# KiCad board 192_key.kicad_pcb
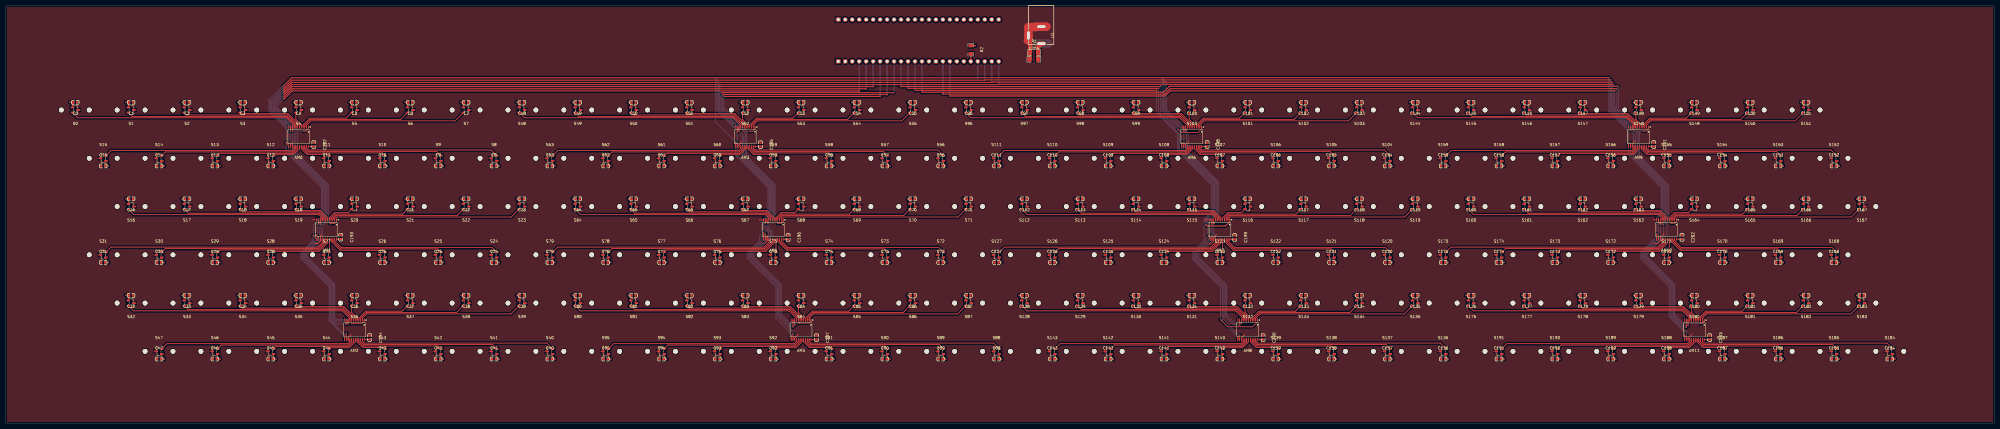
[diagram p0: board, top side]
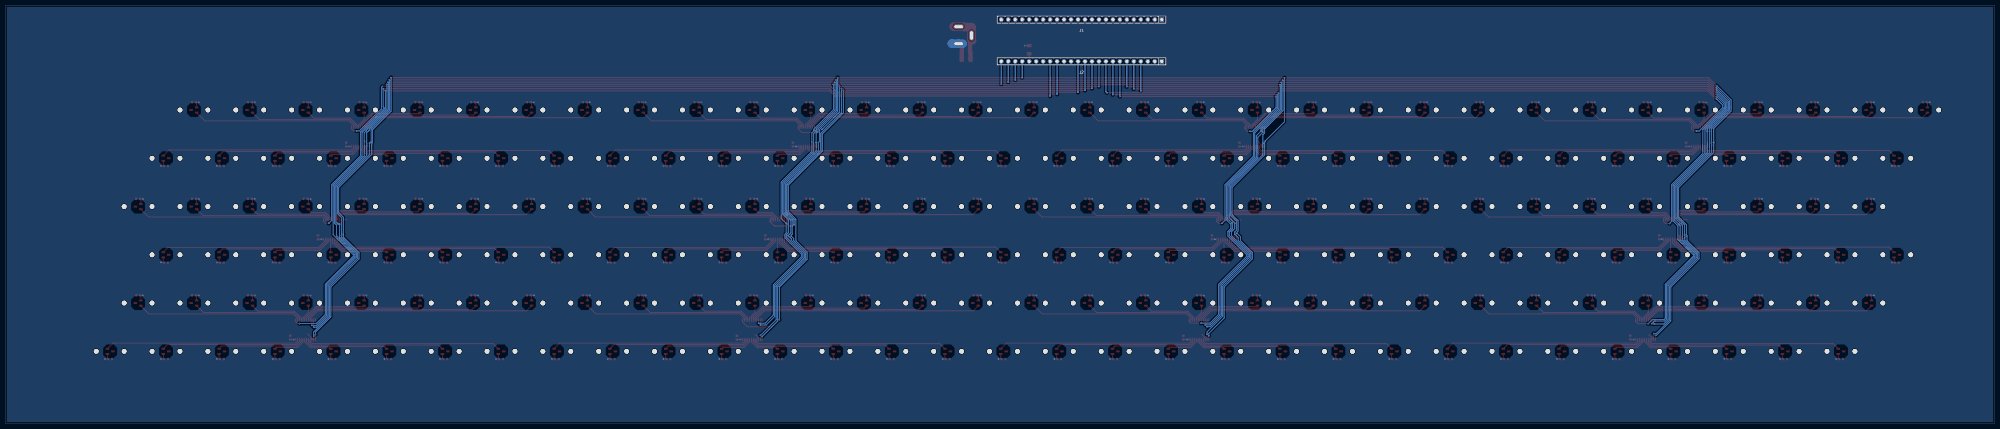
[diagram p1: board, bottom side, seen from below]

Outline 723.9 x 152.4 mm; copper layers: Top, Bottom. Coordinates in mm from the lower left corner of the outline.
Outline path: 0,152.4 723.9,152.4 723.9,0 0,0 closed

## Placement (name value [footprint] x y rotation side)
AM0  CD74HC4067SM96  [SSOP-24_L8.1-W5.3-P0.65-LS7.8-BL]  106.66 104.54 180 top
AM1  CD74HC4067SM96  [SSOP-24_L8.1-W5.3-P0.65-LS7.8-BL]  116.88 70.71 180 top
AM2  CD74HC4067SM96  [SSOP-24_L8.1-W5.3-P0.65-LS7.8-BL]  126.98 34.15 180 top
AM3  CD74HC4067SM96  [SSOP-24_L8.1-W5.3-P0.65-LS7.8-BL]  269.22 104.54 180 top
AM4  CD74HC4067SM96  [SSOP-24_L8.1-W5.3-P0.65-LS7.8-BL]  279.44 70.71 180 top
AM5  CD74HC4067SM96  [SSOP-24_L8.1-W5.3-P0.65-LS7.8-BL]  289.54 34.15 180 top
AM6  CD74HC4067SM96  [SSOP-24_L8.1-W5.3-P0.65-LS7.8-BL]  431.78 104.54 180 top
AM7  CD74HC4067SM96  [SSOP-24_L8.1-W5.3-P0.65-LS7.8-BL]  442 70.71 180 top
AM8  CD74HC4067SM96  [SSOP-24_L8.1-W5.3-P0.65-LS7.8-BL]  452.1 34.15 180 top
AM9  CD74HC4067SM96  [SSOP-24_L8.1-W5.3-P0.65-LS7.8-BL]  594.34 104.54 180 top
AM10  CD74HC4067SM96  [SSOP-24_L8.1-W5.3-P0.65-LS7.8-BL]  604.56 70.71 180 top
AM11  CD74HC4067SM96  [SSOP-24_L8.1-W5.3-P0.65-LS7.8-BL]  614.66 34.15 180 top
C0  100 nF  [C0603]  25.4 117.09 180 top
C1  100 nF  [C0603]  45.72 117.09 180 top
C2  100 nF  [C0603]  66.04 117.09 180 top
C3  100 nF  [C0603]  86.36 117.09 180 top
C4  100 nF  [C0603]  106.68 117.09 180 top
C5  100 nF  [C0603]  127 117.09 180 top
C6  100 nF  [C0603]  147.32 117.09 180 top
C7  100 nF  [C0603]  167.64 117.09 180 top
C8  100 nF  [C0603]  177.8 93.91 0 top
C9  100 nF  [C0603]  157.48 93.91 0 top
C10  100 nF  [C0603]  137.16 93.91 0 top
C11  100 nF  [C0603]  116.84 93.91 0 top
C12  100 nF  [C0603]  96.52 93.91 0 top
C13  100 nF  [C0603]  76.2 93.91 0 top
C14  100 nF  [C0603]  55.88 93.91 0 top
C15  100 nF  [C0603]  35.56 93.91 0 top
C16  100 nF  [C0603]  45.72 81.9 180 top
C17  100 nF  [C0603]  66.04 81.9 180 top
C18  100 nF  [C0603]  86.36 81.9 180 top
C19  100 nF  [C0603]  106.68 81.9 180 top
C20  100 nF  [C0603]  127 81.9 180 top
C21  100 nF  [C0603]  147.32 81.9 180 top
C22  100 nF  [C0603]  167.64 81.9 180 top
C23  100 nF  [C0603]  187.96 81.9 180 top
C24  100 nF  [C0603]  177.8 58.71 0 top
C25  100 nF  [C0603]  157.48 58.71 0 top
C26  100 nF  [C0603]  137.16 58.71 0 top
C27  100 nF  [C0603]  116.84 58.71 0 top
C28  100 nF  [C0603]  96.52 58.71 0 top
C29  100 nF  [C0603]  76.2 58.71 0 top
C30  100 nF  [C0603]  55.88 58.71 0 top
C31  100 nF  [C0603]  35.56 58.71 0 top
C32  100 nF  [C0603]  45.72 46.7 180 top
C33  100 nF  [C0603]  66.04 46.7 180 top
C34  100 nF  [C0603]  86.36 46.7 180 top
C35  100 nF  [C0603]  106.68 46.7 180 top
C36  100 nF  [C0603]  127 46.7 180 top
C37  100 nF  [C0603]  147.32 46.7 180 top
C38  100 nF  [C0603]  167.64 46.7 180 top
C39  100 nF  [C0603]  187.96 46.7 180 top
C40  100 nF  [C0603]  198.12 23.52 0 top
C41  100 nF  [C0603]  177.8 23.52 0 top
C42  100 nF  [C0603]  157.48 23.52 0 top
C43  100 nF  [C0603]  137.16 23.52 0 top
C44  100 nF  [C0603]  116.84 23.52 0 top
C45  100 nF  [C0603]  96.52 23.52 0 top
C46  100 nF  [C0603]  76.2 23.52 0 top
C47  100 nF  [C0603]  55.88 23.52 0 top
C48  100 nF  [C0603]  187.96 117.09 180 top
C49  100 nF  [C0603]  208.28 117.09 180 top
C50  100 nF  [C0603]  228.6 117.09 180 top
C51  100 nF  [C0603]  248.92 117.09 180 top
C52  100 nF  [C0603]  269.24 117.09 180 top
C53  100 nF  [C0603]  289.56 117.09 180 top
C54  100 nF  [C0603]  309.88 117.09 180 top
C55  100 nF  [C0603]  330.2 117.09 180 top
C56  100 nF  [C0603]  340.36 93.91 0 top
C57  100 nF  [C0603]  320.04 93.91 0 top
C58  100 nF  [C0603]  299.72 93.91 0 top
C59  100 nF  [C0603]  279.4 93.91 0 top
C60  100 nF  [C0603]  259.08 93.91 0 top
C61  100 nF  [C0603]  238.76 93.91 0 top
C62  100 nF  [C0603]  218.44 93.91 0 top
C63  100 nF  [C0603]  198.12 93.91 0 top
C64  100 nF  [C0603]  208.28 81.9 180 top
C65  100 nF  [C0603]  228.6 81.9 180 top
C66  100 nF  [C0603]  248.92 81.9 180 top
C67  100 nF  [C0603]  269.24 81.9 180 top
C68  100 nF  [C0603]  289.56 81.9 180 top
C69  100 nF  [C0603]  309.88 81.9 180 top
C70  100 nF  [C0603]  330.2 81.9 180 top
C71  100 nF  [C0603]  350.52 81.9 180 top
C72  100 nF  [C0603]  340.36 58.71 0 top
C73  100 nF  [C0603]  320.04 58.71 0 top
C74  100 nF  [C0603]  299.72 58.71 0 top
C75  100 nF  [C0603]  279.4 58.71 0 top
C76  100 nF  [C0603]  259.08 58.71 0 top
C77  100 nF  [C0603]  238.76 58.71 0 top
C78  100 nF  [C0603]  218.44 58.71 0 top
C79  100 nF  [C0603]  198.12 58.71 0 top
C80  100 nF  [C0603]  208.28 46.7 180 top
C81  100 nF  [C0603]  228.6 46.7 180 top
C82  100 nF  [C0603]  248.92 46.7 180 top
C83  100 nF  [C0603]  269.24 46.7 180 top
C84  100 nF  [C0603]  289.56 46.7 180 top
C85  100 nF  [C0603]  309.88 46.7 180 top
C86  100 nF  [C0603]  330.2 46.7 180 top
C87  100 nF  [C0603]  350.52 46.7 180 top
C88  100 nF  [C0603]  360.68 23.52 0 top
C89  100 nF  [C0603]  340.36 23.52 0 top
C90  100 nF  [C0603]  320.04 23.52 0 top
C91  100 nF  [C0603]  299.72 23.52 0 top
C92  100 nF  [C0603]  279.4 23.52 0 top
C93  100 nF  [C0603]  259.08 23.52 0 top
C94  100 nF  [C0603]  238.76 23.52 0 top
C95  100 nF  [C0603]  218.44 23.52 0 top
C96  100 nF  [C0603]  350.52 117.09 180 top
C97  100 nF  [C0603]  370.84 117.09 180 top
C98  100 nF  [C0603]  391.16 117.09 180 top
C99  100 nF  [C0603]  411.48 117.09 180 top
C100  100 nF  [C0603]  431.8 117.09 180 top
C101  100 nF  [C0603]  452.12 117.09 180 top
C102  100 nF  [C0603]  472.44 117.09 180 top
C103  100 nF  [C0603]  492.76 117.09 180 top
C104  100 nF  [C0603]  502.92 93.91 0 top
C105  100 nF  [C0603]  482.6 93.91 0 top
C106  100 nF  [C0603]  462.28 93.91 0 top
C107  100 nF  [C0603]  441.96 93.91 0 top
C108  100 nF  [C0603]  421.64 93.91 0 top
C109  100 nF  [C0603]  401.32 93.91 0 top
C110  100 nF  [C0603]  381 93.91 0 top
C111  100 nF  [C0603]  360.68 93.91 0 top
C112  100 nF  [C0603]  370.84 81.9 180 top
C113  100 nF  [C0603]  391.16 81.9 180 top
C114  100 nF  [C0603]  411.48 81.9 180 top
C115  100 nF  [C0603]  431.8 81.9 180 top
C116  100 nF  [C0603]  452.12 81.9 180 top
C117  100 nF  [C0603]  472.44 81.9 180 top
C118  100 nF  [C0603]  492.76 81.9 180 top
C119  100 nF  [C0603]  513.08 81.9 180 top
C120  100 nF  [C0603]  502.92 58.71 0 top
C121  100 nF  [C0603]  482.6 58.71 0 top
C122  100 nF  [C0603]  462.28 58.71 0 top
C123  100 nF  [C0603]  441.96 58.71 0 top
C124  100 nF  [C0603]  421.64 58.71 0 top
C125  100 nF  [C0603]  401.32 58.71 0 top
C126  100 nF  [C0603]  381 58.71 0 top
C127  100 nF  [C0603]  360.68 58.71 0 top
C128  100 nF  [C0603]  370.84 46.7 180 top
C129  100 nF  [C0603]  391.16 46.7 180 top
C130  100 nF  [C0603]  411.48 46.7 180 top
C131  100 nF  [C0603]  431.8 46.7 180 top
C132  100 nF  [C0603]  452.12 46.7 180 top
C133  100 nF  [C0603]  472.44 46.7 180 top
C134  100 nF  [C0603]  492.76 46.7 180 top
C135  100 nF  [C0603]  513.08 46.7 180 top
C136  100 nF  [C0603]  523.24 23.52 0 top
C137  100 nF  [C0603]  502.92 23.52 0 top
C138  100 nF  [C0603]  482.6 23.52 0 top
C139  100 nF  [C0603]  462.28 23.52 0 top
C140  100 nF  [C0603]  441.96 23.52 0 top
C141  100 nF  [C0603]  421.64 23.52 0 top
C142  100 nF  [C0603]  401.32 23.52 0 top
C143  100 nF  [C0603]  381 23.52 0 top
C144  100 nF  [C0603]  513.08 117.09 180 top
C145  100 nF  [C0603]  533.4 117.09 180 top
C146  100 nF  [C0603]  553.72 117.09 180 top
C147  100 nF  [C0603]  574.04 117.09 180 top
C148  100 nF  [C0603]  594.36 117.09 180 top
C149  100 nF  [C0603]  614.68 117.09 180 top
C150  100 nF  [C0603]  635 117.09 180 top
C151  100 nF  [C0603]  655.32 117.09 180 top
C152  100 nF  [C0603]  665.48 93.91 0 top
C153  100 nF  [C0603]  645.16 93.91 0 top
C154  100 nF  [C0603]  624.84 93.91 0 top
C155  100 nF  [C0603]  604.52 93.91 0 top
C156  100 nF  [C0603]  584.2 93.91 0 top
C157  100 nF  [C0603]  563.88 93.91 0 top
C158  100 nF  [C0603]  543.56 93.91 0 top
C159  100 nF  [C0603]  523.24 93.91 0 top
C160  100 nF  [C0603]  533.4 81.9 180 top
C161  100 nF  [C0603]  553.72 81.9 180 top
C162  100 nF  [C0603]  574.04 81.9 180 top
C163  100 nF  [C0603]  594.36 81.9 180 top
C164  100 nF  [C0603]  614.68 81.9 180 top
C165  100 nF  [C0603]  635 81.9 180 top
C166  100 nF  [C0603]  655.32 81.9 180 top
C167  100 nF  [C0603]  675.64 81.9 180 top
C168  100 nF  [C0603]  665.48 58.71 0 top
C169  100 nF  [C0603]  645.16 58.71 0 top
C170  100 nF  [C0603]  624.84 58.71 0 top
C171  100 nF  [C0603]  604.52 58.71 0 top
C172  100 nF  [C0603]  584.2 58.71 0 top
C173  100 nF  [C0603]  563.88 58.71 0 top
C174  100 nF  [C0603]  543.56 58.71 0 top
C175  100 nF  [C0603]  523.24 58.71 0 top
C176  100 nF  [C0603]  533.4 46.7 180 top
C177  100 nF  [C0603]  553.72 46.7 180 top
C178  100 nF  [C0603]  574.04 46.7 180 top
C179  100 nF  [C0603]  594.36 46.7 180 top
C180  100 nF  [C0603]  614.68 46.7 180 top
C181  100 nF  [C0603]  635 46.7 180 top
C182  100 nF  [C0603]  655.32 46.7 180 top
C183  100 nF  [C0603]  675.64 46.7 180 top
C184  100 nF  [C0603]  685.8 23.52 0 top
C185  100 nF  [C0603]  665.48 23.52 0 top
C186  100 nF  [C0603]  645.16 23.52 0 top
C187  100 nF  [C0603]  624.84 23.52 0 top
C188  100 nF  [C0603]  604.52 23.52 0 top
C189  100 nF  [C0603]  584.2 23.52 0 top
C190  100 nF  [C0603]  563.88 23.52 0 top
C191  100 nF  [C0603]  543.56 23.52 0 top
C192  100 nF  [C0603]  112.22 101.69 270 top
C193  100 nF  [C0603]  122.02 67.92 270 top
C194  100 nF  [C0603]  132.54 31.35 270 top
C195  100 nF  [C0603]  274.78 101.69 270 top
C196  100 nF  [C0603]  284.84 67.86 270 top
C197  100 nF  [C0603]  295.2 31.3 270 top
C198  100 nF  [C0603]  437.34 101.71 270 top
C199  100 nF  [C0603]  447.4 67.86 270 top
C200  100 nF  [C0603]  457.71 31.3 270 top
C201  100 nF  [C0603]  599.9 101.71 270 top
C202  100 nF  [C0603]  610.16 67.86 270 top
C203  100 nF  [C0603]  620.27 31.33 270 top
C204  22 uF  [C1206]  374.28 132.74 0 top
J1  X6511FV-24-C85D32  [HDR-TH_24P-P2.54-V-F]  332.28 147.27 0 bottom
J2  X6511FV-24-C85D32  [HDR-TH_24P-P2.54-V-F]  332.28 132.03 0 bottom
KEY0  -  [SW_MX_Lekker]  25.4 114.3 180 bottom
KEY1  -  [SW_MX_Lekker]  45.72 114.3 180 bottom
KEY2  -  [SW_MX_Lekker]  66.04 114.3 180 bottom
KEY3  -  [SW_MX_Lekker]  86.36 114.3 180 bottom
KEY4  -  [SW_MX_Lekker]  106.68 114.3 180 bottom
KEY5  -  [SW_MX_Lekker]  127 114.3 180 bottom
KEY6  -  [SW_MX_Lekker]  147.32 114.3 180 bottom
KEY7  -  [SW_MX_Lekker]  167.64 114.3 180 bottom
KEY8  -  [SW_MX_Lekker]  177.8 96.7 180 bottom
KEY9  -  [SW_MX_Lekker]  157.48 96.7 180 bottom
KEY10  -  [SW_MX_Lekker]  137.16 96.7 180 bottom
KEY11  -  [SW_MX_Lekker]  116.84 96.7 180 bottom
KEY12  -  [SW_MX_Lekker]  96.52 96.7 180 bottom
KEY13  -  [SW_MX_Lekker]  76.2 96.7 180 bottom
KEY14  -  [SW_MX_Lekker]  55.88 96.7 180 bottom
KEY15  -  [SW_MX_Lekker]  35.56 96.7 180 bottom
KEY16  -  [SW_MX_Lekker]  45.72 79.1 180 bottom
KEY17  -  [SW_MX_Lekker]  66.04 79.1 180 bottom
KEY18  -  [SW_MX_Lekker]  86.36 79.1 180 bottom
KEY19  -  [SW_MX_Lekker]  106.68 79.1 180 bottom
KEY20  -  [SW_MX_Lekker]  127 79.1 180 bottom
KEY21  -  [SW_MX_Lekker]  147.32 79.1 180 bottom
KEY22  -  [SW_MX_Lekker]  167.64 79.1 180 bottom
KEY23  -  [SW_MX_Lekker]  187.96 79.1 180 bottom
KEY24  -  [SW_MX_Lekker]  177.8 61.51 180 bottom
KEY25  -  [SW_MX_Lekker]  157.48 61.51 180 bottom
KEY26  -  [SW_MX_Lekker]  137.16 61.51 180 bottom
KEY27  -  [SW_MX_Lekker]  116.84 61.51 180 bottom
KEY28  -  [SW_MX_Lekker]  96.52 61.51 180 bottom
KEY29  -  [SW_MX_Lekker]  76.2 61.51 180 bottom
KEY30  -  [SW_MX_Lekker]  55.88 61.51 180 bottom
KEY31  -  [SW_MX_Lekker]  35.56 61.51 180 bottom
KEY32  -  [SW_MX_Lekker]  45.72 43.91 180 bottom
KEY33  -  [SW_MX_Lekker]  66.04 43.91 180 bottom
KEY34  -  [SW_MX_Lekker]  86.36 43.91 180 bottom
KEY35  -  [SW_MX_Lekker]  106.68 43.91 180 bottom
KEY36  -  [SW_MX_Lekker]  127 43.91 180 bottom
KEY37  -  [SW_MX_Lekker]  147.32 43.91 180 bottom
KEY38  -  [SW_MX_Lekker]  167.64 43.91 180 bottom
KEY39  -  [SW_MX_Lekker]  187.96 43.91 180 bottom
KEY40  -  [SW_MX_Lekker]  198.12 26.31 180 bottom
KEY41  -  [SW_MX_Lekker]  177.8 26.31 180 bottom
KEY42  -  [SW_MX_Lekker]  157.48 26.31 180 bottom
KEY43  -  [SW_MX_Lekker]  137.16 26.31 180 bottom
KEY44  -  [SW_MX_Lekker]  116.84 26.31 180 bottom
KEY45  -  [SW_MX_Lekker]  96.52 26.31 180 bottom
KEY46  -  [SW_MX_Lekker]  76.2 26.31 180 bottom
KEY47  -  [SW_MX_Lekker]  55.88 26.31 180 bottom
KEY48  -  [SW_MX_Lekker]  187.96 114.3 180 bottom
KEY49  -  [SW_MX_Lekker]  208.28 114.3 180 bottom
KEY50  -  [SW_MX_Lekker]  228.6 114.3 180 bottom
KEY51  -  [SW_MX_Lekker]  248.92 114.3 180 bottom
KEY52  -  [SW_MX_Lekker]  269.24 114.3 180 bottom
KEY53  -  [SW_MX_Lekker]  289.56 114.3 180 bottom
KEY54  -  [SW_MX_Lekker]  309.88 114.3 180 bottom
KEY55  -  [SW_MX_Lekker]  330.2 114.3 180 bottom
KEY56  -  [SW_MX_Lekker]  340.36 96.7 180 bottom
KEY57  -  [SW_MX_Lekker]  320.04 96.7 180 bottom
KEY58  -  [SW_MX_Lekker]  299.72 96.7 180 bottom
KEY59  -  [SW_MX_Lekker]  279.4 96.7 180 bottom
KEY60  -  [SW_MX_Lekker]  259.08 96.7 180 bottom
KEY61  -  [SW_MX_Lekker]  238.76 96.7 180 bottom
KEY62  -  [SW_MX_Lekker]  218.44 96.7 180 bottom
KEY63  -  [SW_MX_Lekker]  198.12 96.7 180 bottom
KEY64  -  [SW_MX_Lekker]  208.28 79.1 180 bottom
KEY65  -  [SW_MX_Lekker]  228.6 79.1 180 bottom
KEY66  -  [SW_MX_Lekker]  248.92 79.1 180 bottom
KEY67  -  [SW_MX_Lekker]  269.24 79.1 180 bottom
KEY68  -  [SW_MX_Lekker]  289.56 79.1 180 bottom
KEY69  -  [SW_MX_Lekker]  309.88 79.1 180 bottom
KEY70  -  [SW_MX_Lekker]  330.2 79.1 180 bottom
KEY71  -  [SW_MX_Lekker]  350.52 79.1 180 bottom
KEY72  -  [SW_MX_Lekker]  340.36 61.51 180 bottom
KEY73  -  [SW_MX_Lekker]  320.04 61.51 180 bottom
KEY74  -  [SW_MX_Lekker]  299.72 61.51 180 bottom
KEY75  -  [SW_MX_Lekker]  279.4 61.51 180 bottom
KEY76  -  [SW_MX_Lekker]  259.08 61.51 180 bottom
KEY77  -  [SW_MX_Lekker]  238.76 61.51 180 bottom
KEY78  -  [SW_MX_Lekker]  218.44 61.51 180 bottom
KEY79  -  [SW_MX_Lekker]  198.12 61.51 180 bottom
KEY80  -  [SW_MX_Lekker]  208.28 43.91 180 bottom
KEY81  -  [SW_MX_Lekker]  228.6 43.91 180 bottom
KEY82  -  [SW_MX_Lekker]  248.92 43.91 180 bottom
KEY83  -  [SW_MX_Lekker]  269.24 43.91 180 bottom
KEY84  -  [SW_MX_Lekker]  289.56 43.91 180 bottom
KEY85  -  [SW_MX_Lekker]  309.88 43.91 180 bottom
KEY86  -  [SW_MX_Lekker]  330.2 43.91 180 bottom
KEY87  -  [SW_MX_Lekker]  350.52 43.91 180 bottom
KEY88  -  [SW_MX_Lekker]  360.68 26.31 180 bottom
KEY89  -  [SW_MX_Lekker]  340.36 26.31 180 bottom
KEY90  -  [SW_MX_Lekker]  320.04 26.31 180 bottom
KEY91  -  [SW_MX_Lekker]  299.72 26.31 180 bottom
KEY92  -  [SW_MX_Lekker]  279.4 26.31 180 bottom
KEY93  -  [SW_MX_Lekker]  259.08 26.31 180 bottom
KEY94  -  [SW_MX_Lekker]  238.76 26.31 180 bottom
KEY95  -  [SW_MX_Lekker]  218.44 26.31 180 bottom
KEY96  -  [SW_MX_Lekker]  350.52 114.3 180 bottom
KEY97  -  [SW_MX_Lekker]  370.84 114.3 180 bottom
KEY98  -  [SW_MX_Lekker]  391.16 114.3 180 bottom
KEY99  -  [SW_MX_Lekker]  411.48 114.3 180 bottom
KEY100  -  [SW_MX_Lekker]  431.8 114.3 180 bottom
KEY101  -  [SW_MX_Lekker]  452.12 114.3 180 bottom
KEY102  -  [SW_MX_Lekker]  472.44 114.3 180 bottom
KEY103  -  [SW_MX_Lekker]  492.76 114.3 180 bottom
KEY104  -  [SW_MX_Lekker]  502.92 96.7 180 bottom
KEY105  -  [SW_MX_Lekker]  482.6 96.7 180 bottom
KEY106  -  [SW_MX_Lekker]  462.28 96.7 180 bottom
KEY107  -  [SW_MX_Lekker]  441.96 96.7 180 bottom
KEY108  -  [SW_MX_Lekker]  421.64 96.7 180 bottom
KEY109  -  [SW_MX_Lekker]  401.32 96.7 180 bottom
KEY110  -  [SW_MX_Lekker]  381 96.7 180 bottom
KEY111  -  [SW_MX_Lekker]  360.68 96.7 180 bottom
KEY112  -  [SW_MX_Lekker]  370.84 79.1 180 bottom
KEY113  -  [SW_MX_Lekker]  391.16 79.1 180 bottom
KEY114  -  [SW_MX_Lekker]  411.48 79.1 180 bottom
KEY115  -  [SW_MX_Lekker]  431.8 79.1 180 bottom
KEY116  -  [SW_MX_Lekker]  452.12 79.1 180 bottom
KEY117  -  [SW_MX_Lekker]  472.44 79.1 180 bottom
KEY118  -  [SW_MX_Lekker]  492.76 79.1 180 bottom
KEY119  -  [SW_MX_Lekker]  513.08 79.1 180 bottom
KEY120  -  [SW_MX_Lekker]  502.92 61.51 180 bottom
KEY121  -  [SW_MX_Lekker]  482.6 61.51 180 bottom
KEY122  -  [SW_MX_Lekker]  462.28 61.51 180 bottom
KEY123  -  [SW_MX_Lekker]  441.96 61.51 180 bottom
KEY124  -  [SW_MX_Lekker]  421.64 61.51 180 bottom
KEY125  -  [SW_MX_Lekker]  401.32 61.51 180 bottom
KEY126  -  [SW_MX_Lekker]  381 61.51 180 bottom
KEY127  -  [SW_MX_Lekker]  360.68 61.51 180 bottom
KEY128  -  [SW_MX_Lekker]  370.84 43.91 180 bottom
KEY129  -  [SW_MX_Lekker]  391.16 43.91 180 bottom
KEY130  -  [SW_MX_Lekker]  411.48 43.91 180 bottom
KEY131  -  [SW_MX_Lekker]  431.8 43.91 180 bottom
KEY132  -  [SW_MX_Lekker]  452.12 43.91 180 bottom
KEY133  -  [SW_MX_Lekker]  472.44 43.91 180 bottom
KEY134  -  [SW_MX_Lekker]  492.76 43.91 180 bottom
KEY135  -  [SW_MX_Lekker]  513.08 43.91 180 bottom
KEY136  -  [SW_MX_Lekker]  523.24 26.31 180 bottom
KEY137  -  [SW_MX_Lekker]  502.92 26.31 180 bottom
KEY138  -  [SW_MX_Lekker]  482.6 26.31 180 bottom
KEY139  -  [SW_MX_Lekker]  462.28 26.31 180 bottom
KEY140  -  [SW_MX_Lekker]  441.96 26.31 180 bottom
KEY141  -  [SW_MX_Lekker]  421.64 26.31 180 bottom
KEY142  -  [SW_MX_Lekker]  401.32 26.31 180 bottom
KEY143  -  [SW_MX_Lekker]  381 26.31 180 bottom
KEY144  -  [SW_MX_Lekker]  513.08 114.3 180 bottom
KEY145  -  [SW_MX_Lekker]  533.4 114.3 180 bottom
KEY146  -  [SW_MX_Lekker]  553.72 114.3 180 bottom
KEY147  -  [SW_MX_Lekker]  574.04 114.3 180 bottom
KEY148  -  [SW_MX_Lekker]  594.36 114.3 180 bottom
KEY149  -  [SW_MX_Lekker]  614.68 114.3 180 bottom
KEY150  -  [SW_MX_Lekker]  635 114.3 180 bottom
KEY151  -  [SW_MX_Lekker]  655.32 114.3 180 bottom
KEY152  -  [SW_MX_Lekker]  665.48 96.7 180 bottom
KEY153  -  [SW_MX_Lekker]  645.16 96.7 180 bottom
KEY154  -  [SW_MX_Lekker]  624.84 96.7 180 bottom
KEY155  -  [SW_MX_Lekker]  604.52 96.7 180 bottom
KEY156  -  [SW_MX_Lekker]  584.2 96.7 180 bottom
KEY157  -  [SW_MX_Lekker]  563.88 96.7 180 bottom
KEY158  -  [SW_MX_Lekker]  543.56 96.7 180 bottom
KEY159  -  [SW_MX_Lekker]  523.24 96.7 180 bottom
KEY160  -  [SW_MX_Lekker]  533.4 79.1 180 bottom
KEY161  -  [SW_MX_Lekker]  553.72 79.1 180 bottom
KEY162  -  [SW_MX_Lekker]  574.04 79.1 180 bottom
KEY163  -  [SW_MX_Lekker]  594.36 79.1 180 bottom
KEY164  -  [SW_MX_Lekker]  614.68 79.1 180 bottom
KEY165  -  [SW_MX_Lekker]  635 79.1 180 bottom
KEY166  -  [SW_MX_Lekker]  655.32 79.1 180 bottom
KEY167  -  [SW_MX_Lekker]  675.64 79.1 180 bottom
KEY168  -  [SW_MX_Lekker]  665.48 61.51 180 bottom
KEY169  -  [SW_MX_Lekker]  645.16 61.51 180 bottom
KEY170  -  [SW_MX_Lekker]  624.84 61.51 180 bottom
KEY171  -  [SW_MX_Lekker]  604.52 61.51 180 bottom
KEY172  -  [SW_MX_Lekker]  584.2 61.51 180 bottom
KEY173  -  [SW_MX_Lekker]  563.88 61.51 180 bottom
KEY174  -  [SW_MX_Lekker]  543.56 61.51 180 bottom
KEY175  -  [SW_MX_Lekker]  523.24 61.51 180 bottom
KEY176  -  [SW_MX_Lekker]  533.4 43.91 180 bottom
KEY177  -  [SW_MX_Lekker]  553.72 43.91 180 bottom
KEY178  -  [SW_MX_Lekker]  574.04 43.91 180 bottom
KEY179  -  [SW_MX_Lekker]  594.36 43.91 180 bottom
KEY180  -  [SW_MX_Lekker]  614.68 43.91 180 bottom
KEY181  -  [SW_MX_Lekker]  635 43.91 180 bottom
KEY182  -  [SW_MX_Lekker]  655.32 43.91 180 bottom
KEY183  -  [SW_MX_Lekker]  675.64 43.91 180 bottom
KEY184  -  [SW_MX_Lekker]  685.8 26.31 180 bottom
KEY185  -  [SW_MX_Lekker]  665.48 26.31 180 bottom
KEY186  -  [SW_MX_Lekker]  645.16 26.31 180 bottom
KEY187  -  [SW_MX_Lekker]  624.84 26.31 180 bottom
KEY188  -  [SW_MX_Lekker]  604.52 26.31 180 bottom
KEY189  -  [SW_MX_Lekker]  584.2 26.31 180 bottom
KEY190  -  [SW_MX_Lekker]  563.88 26.31 180 bottom
KEY191  -  [SW_MX_Lekker]  543.56 26.31 180 bottom
R1  1k  [R1206]  374.34 135.33 0 top
R2  1k  [R1206]  351.33 136.29 270 top
S0  GH39FKSW  [SOT-23-3_L2.9-W1.3-P1.90-LS2.4-BR]  25.4 114.3 180 top
S1  GH39FKSW  [SOT-23-3_L2.9-W1.3-P1.90-LS2.4-BR]  45.72 114.3 180 top
S2  GH39FKSW  [SOT-23-3_L2.9-W1.3-P1.90-LS2.4-BR]  66.04 114.3 180 top
S3  GH39FKSW  [SOT-23-3_L2.9-W1.3-P1.90-LS2.4-BR]  86.36 114.3 180 top
S4  GH39FKSW  [SOT-23-3_L2.9-W1.3-P1.90-LS2.4-BR]  106.68 114.3 180 top
S5  GH39FKSW  [SOT-23-3_L2.9-W1.3-P1.90-LS2.4-BR]  127 114.3 180 top
S6  GH39FKSW  [SOT-23-3_L2.9-W1.3-P1.90-LS2.4-BR]  147.32 114.3 180 top
S7  GH39FKSW  [SOT-23-3_L2.9-W1.3-P1.90-LS2.4-BR]  167.64 114.3 180 top
S8  GH39FKSW  [SOT-23-3_L2.9-W1.3-P1.90-LS2.4-BR]  177.8 96.7 0 top
S9  GH39FKSW  [SOT-23-3_L2.9-W1.3-P1.90-LS2.4-BR]  157.48 96.7 0 top
S10  GH39FKSW  [SOT-23-3_L2.9-W1.3-P1.90-LS2.4-BR]  137.16 96.7 0 top
S11  GH39FKSW  [SOT-23-3_L2.9-W1.3-P1.90-LS2.4-BR]  116.84 96.7 0 top
S12  GH39FKSW  [SOT-23-3_L2.9-W1.3-P1.90-LS2.4-BR]  96.52 96.7 0 top
S13  GH39FKSW  [SOT-23-3_L2.9-W1.3-P1.90-LS2.4-BR]  76.2 96.7 0 top
S14  GH39FKSW  [SOT-23-3_L2.9-W1.3-P1.90-LS2.4-BR]  55.88 96.7 0 top
S15  GH39FKSW  [SOT-23-3_L2.9-W1.3-P1.90-LS2.4-BR]  35.56 96.7 0 top
S16  GH39FKSW  [SOT-23-3_L2.9-W1.3-P1.90-LS2.4-BR]  45.72 79.1 180 top
S17  GH39FKSW  [SOT-23-3_L2.9-W1.3-P1.90-LS2.4-BR]  66.04 79.1 180 top
S18  GH39FKSW  [SOT-23-3_L2.9-W1.3-P1.90-LS2.4-BR]  86.36 79.1 180 top
S19  GH39FKSW  [SOT-23-3_L2.9-W1.3-P1.90-LS2.4-BR]  106.68 79.1 180 top
S20  GH39FKSW  [SOT-23-3_L2.9-W1.3-P1.90-LS2.4-BR]  127 79.1 180 top
S21  GH39FKSW  [SOT-23-3_L2.9-W1.3-P1.90-LS2.4-BR]  147.32 79.1 180 top
S22  GH39FKSW  [SOT-23-3_L2.9-W1.3-P1.90-LS2.4-BR]  167.64 79.1 180 top
S23  GH39FKSW  [SOT-23-3_L2.9-W1.3-P1.90-LS2.4-BR]  187.96 79.1 180 top
S24  GH39FKSW  [SOT-23-3_L2.9-W1.3-P1.90-LS2.4-BR]  177.8 61.51 0 top
S25  GH39FKSW  [SOT-23-3_L2.9-W1.3-P1.90-LS2.4-BR]  157.48 61.51 0 top
S26  GH39FKSW  [SOT-23-3_L2.9-W1.3-P1.90-LS2.4-BR]  137.16 61.51 0 top
S27  GH39FKSW  [SOT-23-3_L2.9-W1.3-P1.90-LS2.4-BR]  116.84 61.51 0 top
S28  GH39FKSW  [SOT-23-3_L2.9-W1.3-P1.90-LS2.4-BR]  96.52 61.51 0 top
S29  GH39FKSW  [SOT-23-3_L2.9-W1.3-P1.90-LS2.4-BR]  76.2 61.51 0 top
S30  GH39FKSW  [SOT-23-3_L2.9-W1.3-P1.90-LS2.4-BR]  55.88 61.51 0 top
S31  GH39FKSW  [SOT-23-3_L2.9-W1.3-P1.90-LS2.4-BR]  35.56 61.51 0 top
S32  GH39FKSW  [SOT-23-3_L2.9-W1.3-P1.90-LS2.4-BR]  45.72 43.91 180 top
S33  GH39FKSW  [SOT-23-3_L2.9-W1.3-P1.90-LS2.4-BR]  66.04 43.91 180 top
S34  GH39FKSW  [SOT-23-3_L2.9-W1.3-P1.90-LS2.4-BR]  86.36 43.91 180 top
S35  GH39FKSW  [SOT-23-3_L2.9-W1.3-P1.90-LS2.4-BR]  106.68 43.91 180 top
S36  GH39FKSW  [SOT-23-3_L2.9-W1.3-P1.90-LS2.4-BR]  127 43.91 180 top
S37  GH39FKSW  [SOT-23-3_L2.9-W1.3-P1.90-LS2.4-BR]  147.32 43.91 180 top
S38  GH39FKSW  [SOT-23-3_L2.9-W1.3-P1.90-LS2.4-BR]  167.64 43.91 180 top
S39  GH39FKSW  [SOT-23-3_L2.9-W1.3-P1.90-LS2.4-BR]  187.96 43.91 180 top
S40  GH39FKSW  [SOT-23-3_L2.9-W1.3-P1.90-LS2.4-BR]  198.12 26.31 0 top
S41  GH39FKSW  [SOT-23-3_L2.9-W1.3-P1.90-LS2.4-BR]  177.8 26.31 0 top
S42  GH39FKSW  [SOT-23-3_L2.9-W1.3-P1.90-LS2.4-BR]  157.48 26.31 0 top
S43  GH39FKSW  [SOT-23-3_L2.9-W1.3-P1.90-LS2.4-BR]  137.16 26.31 0 top
S44  GH39FKSW  [SOT-23-3_L2.9-W1.3-P1.90-LS2.4-BR]  116.84 26.31 0 top
S45  GH39FKSW  [SOT-23-3_L2.9-W1.3-P1.90-LS2.4-BR]  96.52 26.31 0 top
S46  GH39FKSW  [SOT-23-3_L2.9-W1.3-P1.90-LS2.4-BR]  76.2 26.31 0 top
S47  GH39FKSW  [SOT-23-3_L2.9-W1.3-P1.90-LS2.4-BR]  55.88 26.31 0 top
S48  GH39FKSW  [SOT-23-3_L2.9-W1.3-P1.90-LS2.4-BR]  187.96 114.3 180 top
S49  GH39FKSW  [SOT-23-3_L2.9-W1.3-P1.90-LS2.4-BR]  208.28 114.3 180 top
S50  GH39FKSW  [SOT-23-3_L2.9-W1.3-P1.90-LS2.4-BR]  228.6 114.3 180 top
S51  GH39FKSW  [SOT-23-3_L2.9-W1.3-P1.90-LS2.4-BR]  248.92 114.3 180 top
S52  GH39FKSW  [SOT-23-3_L2.9-W1.3-P1.90-LS2.4-BR]  269.24 114.3 180 top
S53  GH39FKSW  [SOT-23-3_L2.9-W1.3-P1.90-LS2.4-BR]  289.56 114.3 180 top
S54  GH39FKSW  [SOT-23-3_L2.9-W1.3-P1.90-LS2.4-BR]  309.88 114.3 180 top
S55  GH39FKSW  [SOT-23-3_L2.9-W1.3-P1.90-LS2.4-BR]  330.2 114.3 180 top
S56  GH39FKSW  [SOT-23-3_L2.9-W1.3-P1.90-LS2.4-BR]  340.36 96.7 0 top
S57  GH39FKSW  [SOT-23-3_L2.9-W1.3-P1.90-LS2.4-BR]  320.04 96.7 0 top
S58  GH39FKSW  [SOT-23-3_L2.9-W1.3-P1.90-LS2.4-BR]  299.72 96.7 0 top
S59  GH39FKSW  [SOT-23-3_L2.9-W1.3-P1.90-LS2.4-BR]  279.4 96.7 0 top
S60  GH39FKSW  [SOT-23-3_L2.9-W1.3-P1.90-LS2.4-BR]  259.08 96.7 0 top
S61  GH39FKSW  [SOT-23-3_L2.9-W1.3-P1.90-LS2.4-BR]  238.76 96.7 0 top
S62  GH39FKSW  [SOT-23-3_L2.9-W1.3-P1.90-LS2.4-BR]  218.44 96.7 0 top
S63  GH39FKSW  [SOT-23-3_L2.9-W1.3-P1.90-LS2.4-BR]  198.12 96.7 0 top
S64  GH39FKSW  [SOT-23-3_L2.9-W1.3-P1.90-LS2.4-BR]  208.28 79.1 180 top
S65  GH39FKSW  [SOT-23-3_L2.9-W1.3-P1.90-LS2.4-BR]  228.6 79.1 180 top
S66  GH39FKSW  [SOT-23-3_L2.9-W1.3-P1.90-LS2.4-BR]  248.92 79.1 180 top
S67  GH39FKSW  [SOT-23-3_L2.9-W1.3-P1.90-LS2.4-BR]  269.24 79.1 180 top
S68  GH39FKSW  [SOT-23-3_L2.9-W1.3-P1.90-LS2.4-BR]  289.56 79.1 180 top
S69  GH39FKSW  [SOT-23-3_L2.9-W1.3-P1.90-LS2.4-BR]  309.88 79.1 180 top
S70  GH39FKSW  [SOT-23-3_L2.9-W1.3-P1.90-LS2.4-BR]  330.2 79.1 180 top
S71  GH39FKSW  [SOT-23-3_L2.9-W1.3-P1.90-LS2.4-BR]  350.52 79.1 180 top
S72  GH39FKSW  [SOT-23-3_L2.9-W1.3-P1.90-LS2.4-BR]  340.36 61.51 0 top
S73  GH39FKSW  [SOT-23-3_L2.9-W1.3-P1.90-LS2.4-BR]  320.04 61.51 0 top
S74  GH39FKSW  [SOT-23-3_L2.9-W1.3-P1.90-LS2.4-BR]  299.72 61.51 0 top
S75  GH39FKSW  [SOT-23-3_L2.9-W1.3-P1.90-LS2.4-BR]  279.4 61.51 0 top
S76  GH39FKSW  [SOT-23-3_L2.9-W1.3-P1.90-LS2.4-BR]  259.08 61.51 0 top
S77  GH39FKSW  [SOT-23-3_L2.9-W1.3-P1.90-LS2.4-BR]  238.76 61.51 0 top
S78  GH39FKSW  [SOT-23-3_L2.9-W1.3-P1.90-LS2.4-BR]  218.44 61.51 0 top
S79  GH39FKSW  [SOT-23-3_L2.9-W1.3-P1.90-LS2.4-BR]  198.12 61.51 0 top
S80  GH39FKSW  [SOT-23-3_L2.9-W1.3-P1.90-LS2.4-BR]  208.28 43.91 180 top
S81  GH39FKSW  [SOT-23-3_L2.9-W1.3-P1.90-LS2.4-BR]  228.6 43.91 180 top
S82  GH39FKSW  [SOT-23-3_L2.9-W1.3-P1.90-LS2.4-BR]  248.92 43.91 180 top
S83  GH39FKSW  [SOT-23-3_L2.9-W1.3-P1.90-LS2.4-BR]  269.24 43.91 180 top
S84  GH39FKSW  [SOT-23-3_L2.9-W1.3-P1.90-LS2.4-BR]  289.56 43.91 180 top
S85  GH39FKSW  [SOT-23-3_L2.9-W1.3-P1.90-LS2.4-BR]  309.88 43.91 180 top
S86  GH39FKSW  [SOT-23-3_L2.9-W1.3-P1.90-LS2.4-BR]  330.2 43.91 180 top
S87  GH39FKSW  [SOT-23-3_L2.9-W1.3-P1.90-LS2.4-BR]  350.52 43.91 180 top
S88  GH39FKSW  [SOT-23-3_L2.9-W1.3-P1.90-LS2.4-BR]  360.68 26.31 0 top
S89  GH39FKSW  [SOT-23-3_L2.9-W1.3-P1.90-LS2.4-BR]  340.36 26.31 0 top
S90  GH39FKSW  [SOT-23-3_L2.9-W1.3-P1.90-LS2.4-BR]  320.04 26.31 0 top
S91  GH39FKSW  [SOT-23-3_L2.9-W1.3-P1.90-LS2.4-BR]  299.72 26.31 0 top
S92  GH39FKSW  [SOT-23-3_L2.9-W1.3-P1.90-LS2.4-BR]  279.4 26.31 0 top
S93  GH39FKSW  [SOT-23-3_L2.9-W1.3-P1.90-LS2.4-BR]  259.08 26.31 0 top
S94  GH39FKSW  [SOT-23-3_L2.9-W1.3-P1.90-LS2.4-BR]  238.76 26.31 0 top
S95  GH39FKSW  [SOT-23-3_L2.9-W1.3-P1.90-LS2.4-BR]  218.44 26.31 0 top
S96  GH39FKSW  [SOT-23-3_L2.9-W1.3-P1.90-LS2.4-BR]  350.52 114.3 180 top
S97  GH39FKSW  [SOT-23-3_L2.9-W1.3-P1.90-LS2.4-BR]  370.84 114.3 180 top
S98  GH39FKSW  [SOT-23-3_L2.9-W1.3-P1.90-LS2.4-BR]  391.16 114.3 180 top
S99  GH39FKSW  [SOT-23-3_L2.9-W1.3-P1.90-LS2.4-BR]  411.48 114.3 180 top
S100  GH39FKSW  [SOT-23-3_L2.9-W1.3-P1.90-LS2.4-BR]  431.8 114.3 180 top
S101  GH39FKSW  [SOT-23-3_L2.9-W1.3-P1.90-LS2.4-BR]  452.12 114.3 180 top
S102  GH39FKSW  [SOT-23-3_L2.9-W1.3-P1.90-LS2.4-BR]  472.44 114.3 180 top